# KiCad board SP110Duo.kicad_pcb
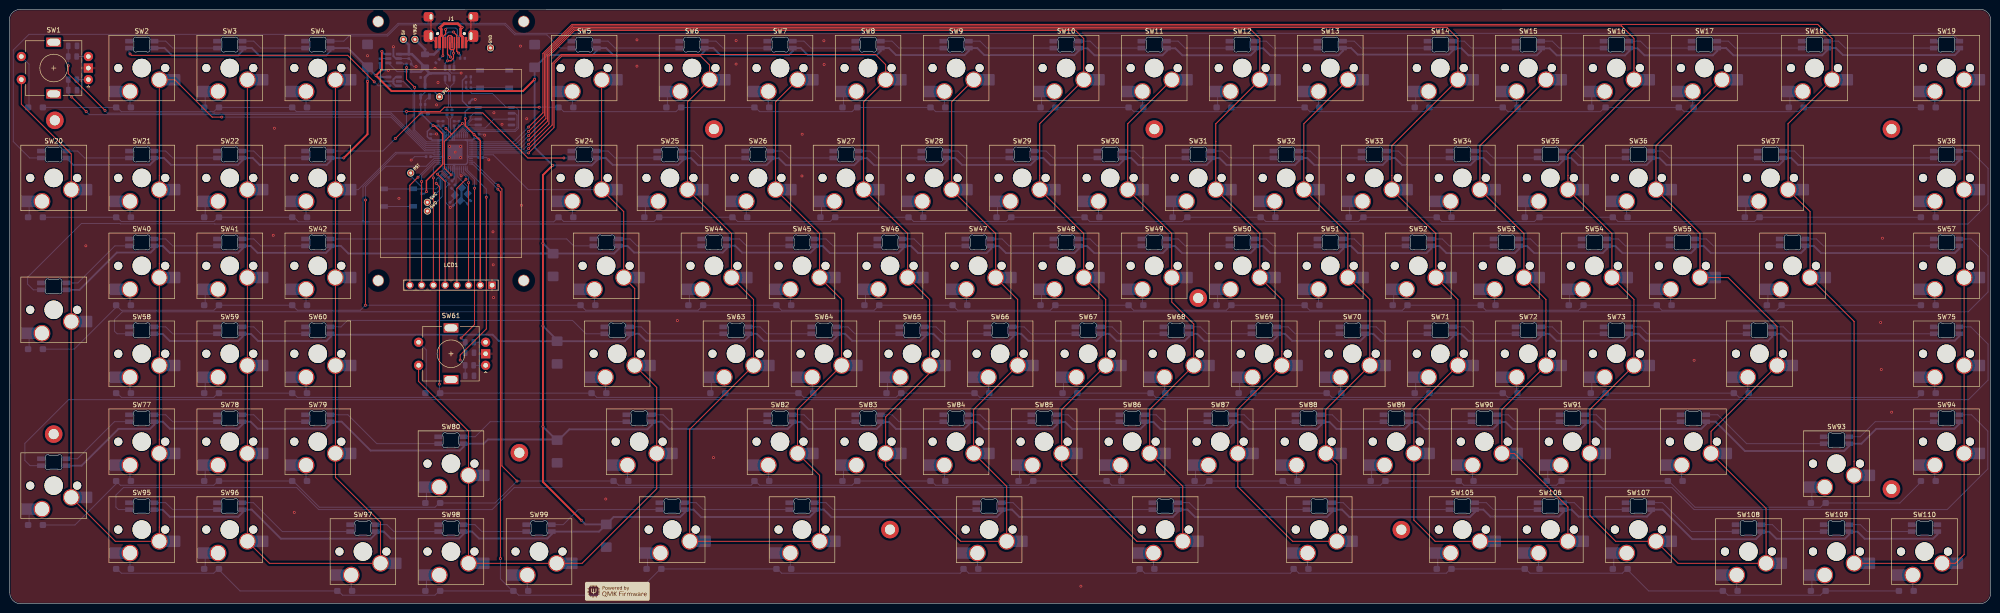
[diagram p0: board, top side]
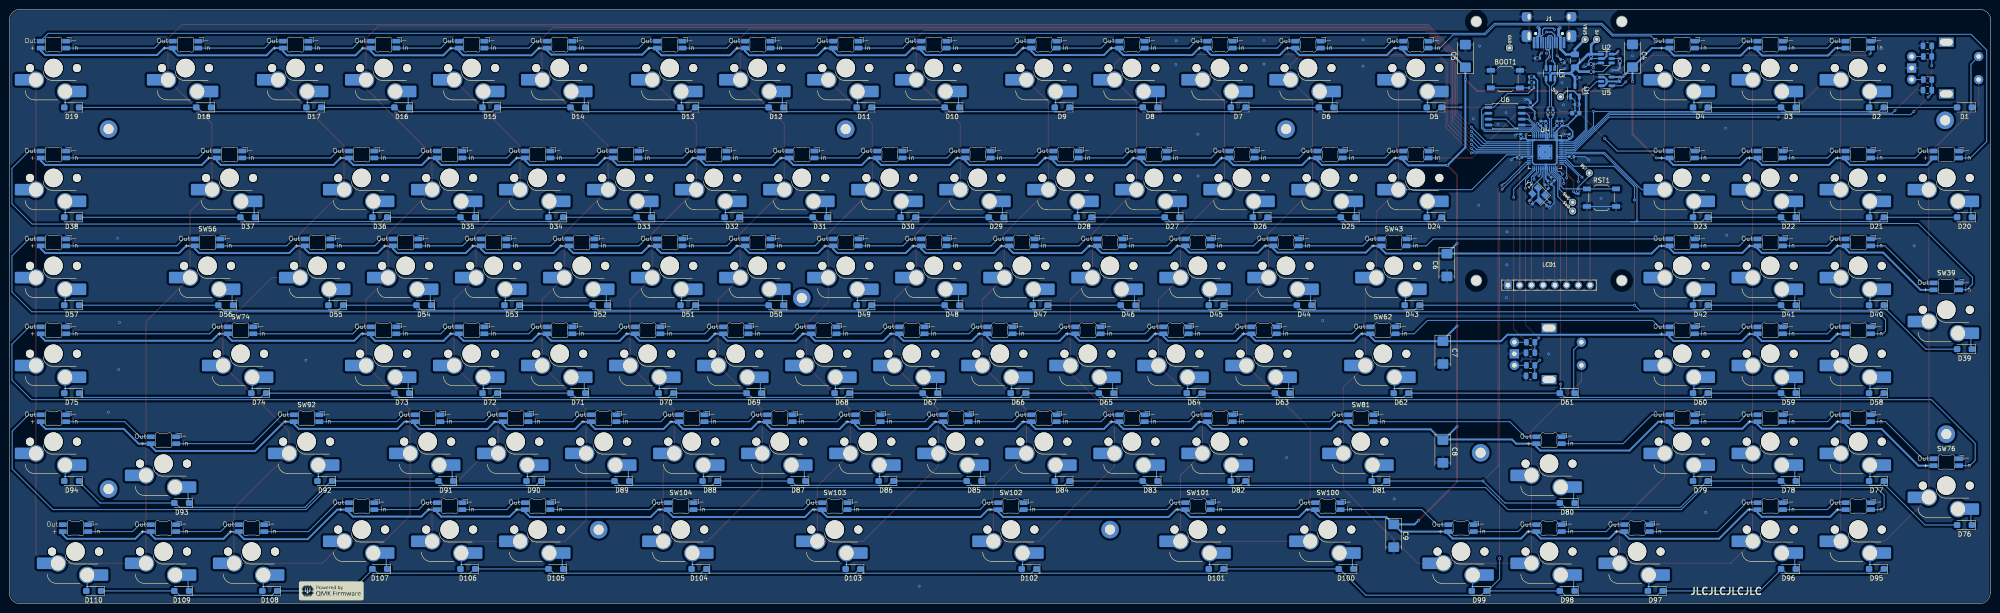
[diagram p1: board, bottom side, seen from below]

Outline 428.76 x 128.83 mm; copper layers: Top, Bottom. Coordinates in mm from the lower left corner of the outline.
Outline path: 0,126.42 0.11,2.38 arc(0.81,0.7) 2.49,0 426.38,0 arc(428.07,0.7) 428.76,2.38 428.76,126.45 arc(428.07,128.13) 426.38,128.83 2.38,128.8 arc(0.7,128.1) 0,126.42
Stack: Top 0.035mm / dielectric 1.51mm FR4 er 4.5 / Bottom 0.035mm

## Placement (name value [footprint] x y rotation side)
BOOT1  SW_Push  [SW_SPST_TL3342]  105.03 113.7 0 bottom
C1  1u  [C_0402_1005Metric]  89.5 114.05 0 bottom
C2  1u  [C_0402_1005Metric]  89.51 108.2 180 bottom
C3  100nF  [C_0402_1005Metric]  86.48 118.62 90 bottom
C4  100u  [CP_EIA-6032-15_Kemet-U]  77.53 118.75 90 bottom
C5  100u  [CP_EIA-6032-15_Kemet-U]  113.68 118.7 90 bottom
C6  100u  [CP_EIA-6032-15_Kemet-U]  117.68 73.4 270 bottom
C7  100u  [CP_EIA-6032-15_Kemet-U]  118.55 54.44 270 bottom
C8  100u  [CP_EIA-6032-15_Kemet-U]  118.55 33 270 bottom
C9  100u  [CP_EIA-6032-15_Kemet-U]  129.18 14.74 270 bottom
C10  100nF  [C_0805_2012Metric]  99.61 49.4 180 bottom
C11  22p  [C_0402_1005Metric]  99.5 87 45 bottom
C12  22p  [C_0402_1005Metric]  95.73 86.64 135 bottom
C13  100nF  [C_0402_1005Metric]  80.26 113.67 270 bottom
C14  1u  [C_0402_1005Metric]  99.58 108.04 90 bottom
C15  1u  [C_0402_1005Metric]  97.37 104.09 90 bottom
C16  100n  [C_0402_1005Metric]  94.77 92.08 225 bottom
C17  10u  [C_0603_1608Metric]  89.8 106.3 0 bottom
C18  1u  [C_0402_1005Metric]  101.98 96.73 0 bottom
C19  100n  [C_0402_1005Metric]  90.68 96.89 180 bottom
C20  100n  [C_0402_1005Metric]  91.18 101.28 90 bottom
C21  100n  [C_0402_1005Metric]  101.67 101.28 90 bottom
C22  100nF  [C_0805_2012Metric]  13.71 111.3 180 bottom
C23  100nF  [C_0805_2012Metric]  13.71 120.9 180 bottom
C24  100nF  [C_0805_2012Metric]  99.61 54.4 180 bottom
C25  1u  [C_0402_1005Metric]  93.88 104.09 90 bottom
C26  100n  [C_0402_1005Metric]  95.47 91.28 225 bottom
C27  100n  [C_0402_1005Metric]  92.77 104.09 90 bottom
C28  100n  [C_0402_1005Metric]  96.28 104.09 90 bottom
D1  1N4148W  [D_SOD-123]  5.68 107.56 0 bottom
D2  1N4148W  [D_SOD-123]  24.73 107.56 0 bottom
D3  1N4148W  [D_SOD-123]  43.78 107.56 0 bottom
D4  1N4148W  [D_SOD-123]  62.83 107.56 0 bottom
D5  1N4148W  [D_SOD-123]  120.45 107.56 0 bottom
D6  1N4148W  [D_SOD-123]  143.79 107.56 0 bottom
D7  1N4148W  [D_SOD-123]  162.84 107.56 0 bottom
D8  1N4148W  [D_SOD-123]  181.89 107.56 0 bottom
D9  1N4148W  [D_SOD-123]  200.94 107.56 0 bottom
D10  1N4148W  [D_SOD-123]  224.75 107.56 0 bottom
D11  1N4148W  [D_SOD-123]  243.8 107.56 0 bottom
D12  1N4148W  [D_SOD-123]  262.85 107.56 0 bottom
D13  1N4148W  [D_SOD-123]  281.9 107.56 0 bottom
D14  1N4148W  [D_SOD-123]  305.72 107.56 0 bottom
D15  1N4148W  [D_SOD-123]  324.77 107.56 0 bottom
D16  1N4148W  [D_SOD-123]  343.82 107.56 0 bottom
D17  1N4148W  [D_SOD-123]  362.87 107.56 0 bottom
D18  1N4148W  [D_SOD-123]  386.68 107.56 0 bottom
D19  1N4148W  [D_SOD-123]  415.25 107.56 0 bottom
D20  1N4148W  [D_SOD-123]  5.68 83.75 0 bottom
D21  1N4148W  [D_SOD-123]  24.73 83.75 0 bottom
D22  1N4148W  [D_SOD-123]  43.78 83.75 0 bottom
D23  1N4148W  [D_SOD-123]  62.83 83.75 0 bottom
D24  1N4148W  [D_SOD-123]  120.45 83.75 0 bottom
D25  1N4148W  [D_SOD-123]  139.03 83.75 0 bottom
D26  1N4148W  [D_SOD-123]  158.08 83.75 0 bottom
D27  1N4148W  [D_SOD-123]  177.13 83.75 0 bottom
D28  1N4148W  [D_SOD-123]  196.18 83.75 0 bottom
D29  1N4148W  [D_SOD-123]  215.23 83.75 0 bottom
D30  1N4148W  [D_SOD-123]  234.28 83.75 0 bottom
D31  1N4148W  [D_SOD-123]  253.33 83.75 0 bottom
D32  1N4148W  [D_SOD-123]  272.38 83.75 0 bottom
D33  1N4148W  [D_SOD-123]  291.43 83.75 0 bottom
D34  1N4148W  [D_SOD-123]  310.48 83.75 0 bottom
D35  1N4148W  [D_SOD-123]  329.53 83.75 0 bottom
D36  1N4148W  [D_SOD-123]  348.58 83.75 0 bottom
D37  1N4148W  [D_SOD-123]  377.15 83.75 0 bottom
D38  1N4148W  [D_SOD-123]  415.25 83.75 0 bottom
D39  1N4148W  [D_SOD-123]  5.68 55.17 0 bottom
D40  1N4148W  [D_SOD-123]  24.73 64.7 0 bottom
D41  1N4148W  [D_SOD-123]  43.78 64.7 0 bottom
D42  1N4148W  [D_SOD-123]  62.83 64.7 0 bottom
D43  1N4148W  [D_SOD-123]  125.22 64.7 0 bottom
D44  1N4148W  [D_SOD-123]  148.55 64.7 0 bottom
D45  1N4148W  [D_SOD-123]  167.6 64.7 0 bottom
D46  1N4148W  [D_SOD-123]  186.65 64.7 0 bottom
D47  1N4148W  [D_SOD-123]  205.7 64.7 0 bottom
D48  1N4148W  [D_SOD-123]  224.75 64.7 0 bottom
D49  1N4148W  [D_SOD-123]  243.8 64.7 0 bottom
D50  1N4148W  [D_SOD-123]  262.85 64.7 0 bottom
D51  1N4148W  [D_SOD-123]  281.9 64.7 0 bottom
D52  1N4148W  [D_SOD-123]  300.95 64.7 0 bottom
D53  1N4148W  [D_SOD-123]  320 64.7 0 bottom
D54  1N4148W  [D_SOD-123]  339.05 64.7 0 bottom
D55  1N4148W  [D_SOD-123]  358.1 64.7 0 bottom
D56  1N4148W  [D_SOD-123]  381.92 64.7 0 bottom
D57  1N4148W  [D_SOD-123]  415.25 64.7 0 bottom
D58  1N4148W  [D_SOD-123]  24.73 45.65 0 bottom
D59  1N4148W  [D_SOD-123]  43.78 45.65 0 bottom
D60  1N4148W  [D_SOD-123]  62.83 45.65 0 bottom
D61  1N4148W  [D_SOD-123]  91.64 45.65 0 bottom
D62  1N4148W  [D_SOD-123]  127.6 45.65 0 bottom
D63  1N4148W  [D_SOD-123]  153.32 45.65 0 bottom
D64  1N4148W  [D_SOD-123]  172.37 45.65 0 bottom
D65  1N4148W  [D_SOD-123]  191.42 45.65 0 bottom
D66  1N4148W  [D_SOD-123]  210.47 45.65 0 bottom
D67  1N4148W  [D_SOD-123]  229.52 45.65 0 bottom
D68  1N4148W  [D_SOD-123]  248.57 45.65 0 bottom
D69  1N4148W  [D_SOD-123]  267.62 45.65 0 bottom
D70  1N4148W  [D_SOD-123]  286.67 45.65 0 bottom
D71  1N4148W  [D_SOD-123]  305.72 45.65 0 bottom
D72  1N4148W  [D_SOD-123]  324.77 45.65 0 bottom
D73  1N4148W  [D_SOD-123]  343.82 45.65 0 bottom
D74  1N4148W  [D_SOD-123]  374.77 45.65 0 bottom
D75  1N4148W  [D_SOD-123]  415.25 45.65 0 bottom
D76  1N4148W  [D_SOD-123]  5.68 17.07 0 bottom
D77  1N4148W  [D_SOD-123]  24.73 26.6 0 bottom
D78  1N4148W  [D_SOD-123]  43.78 26.6 0 bottom
D79  1N4148W  [D_SOD-123]  62.83 26.6 0 bottom
D80  1N4148W  [D_SOD-123]  91.64 21.83 0 bottom
D81  1N4148W  [D_SOD-123]  132.36 26.6 0 bottom
D82  1N4148W  [D_SOD-123]  162.84 26.6 0 bottom
D83  1N4148W  [D_SOD-123]  181.89 26.6 0 bottom
D84  1N4148W  [D_SOD-123]  200.94 26.6 0 bottom
D85  1N4148W  [D_SOD-123]  219.99 26.6 0 bottom
D86  1N4148W  [D_SOD-123]  239.04 26.6 0 bottom
D87  1N4148W  [D_SOD-123]  258.09 26.6 0 bottom
D88  1N4148W  [D_SOD-123]  277.14 26.6 0 bottom
D89  1N4148W  [D_SOD-123]  296.19 26.6 0 bottom
D90  1N4148W  [D_SOD-123]  315.24 26.6 0 bottom
D91  1N4148W  [D_SOD-123]  334.29 26.6 0 bottom
D92  1N4148W  [D_SOD-123]  360.48 26.6 0 bottom
D93  1N4148W  [D_SOD-123]  391.44 21.83 0 bottom
D94  1N4148W  [D_SOD-123]  415.25 26.6 0 bottom
D95  1N4148W  [D_SOD-123]  24.73 7.55 0 bottom
D96  1N4148W  [D_SOD-123]  43.78 7.55 0 bottom
D97  1N4148W  [D_SOD-123]  72.59 2.78 0 bottom
D98  1N4148W  [D_SOD-123]  91.64 2.78 0 bottom
D99  1N4148W  [D_SOD-123]  110.69 2.78 0 bottom
D100  1N4148W  [D_SOD-123]  139.5 7.55 0 bottom
D101  1N4148W  [D_SOD-123]  167.6 7.55 0 bottom
D102  1N4148W  [D_SOD-123]  208.08 7.55 0 bottom
D103  1N4148W  [D_SOD-123]  246.18 7.55 0 bottom
D104  1N4148W  [D_SOD-123]  279.52 7.55 0 bottom
D105  1N4148W  [D_SOD-123]  310.48 7.55 0 bottom
D106  1N4148W  [D_SOD-123]  329.53 7.55 0 bottom
D107  1N4148W  [D_SOD-123]  348.58 7.55 0 bottom
D108  1N4148W  [D_SOD-123]  372.39 2.78 0 bottom
D109  1N4148W  [D_SOD-123]  391.44 2.78 0 bottom
D110  1N4148W  [D_SOD-123]  410.49 2.78 0 bottom
F1  3.0A 1206 Polyfuse  [Fuse_1206_3216Metric]  89.98 117.65 270 bottom
G***  LOGO  [QMK_PoweredBy]  131.58 2.7 0 top
G***#2  LOGO  [QMK_PoweredBy]  359.08 2.8 180 bottom
H1  MountingHole  [MountingHole_2.2mm_M2_DIN965_Pad]  9.87 104.76 180 bottom
H2  MountingHole  [MountingHole_2.2mm_M2_DIN965_Pad]  9.62 36.76 180 bottom
H3  MountingHole  [MountingHole_2.2mm_M2_DIN965_Pad]  110.38 32.72 180 bottom
H4  MountingHole  [MountingHole_2.2mm_M2_DIN965_Pad]  152.48 102.86 180 bottom
H5  MountingHole  [MountingHole_2.2mm_M2_DIN965_Pad]  190.58 16.07 180 bottom
H6  MountingHole  [MountingHole_2.2mm_M2_DIN965_Pad]  247.78 102.86 180 bottom
H7  MountingHole  [MountingHole_2.2mm_M2_DIN965_Pad]  257.28 66.25 180 bottom
H8  MountingHole  [MountingHole_2.2mm_M2_DIN965_Pad]  301.23 16.05 180 bottom
H9  MountingHole  [MountingHole_2.2mm_M2_DIN965_Pad]  407.28 102.86 180 bottom
H10  MountingHole  [MountingHole_2.2mm_M2_DIN965_Pad]  407.28 24.86 180 bottom
J1  USB_C_Receptacle_USB2.0  [HRO-TYPE-C-31-M-12-HandSoldering-NoSBU]  95.58 125.8 0 bottom
LCD1  -  [LCD-ST7789-2in]  95.58 98.1 180 top
R1  5.1k  [R_0402_1005Metric]  98.08 118.2 0 bottom
R2  5.1k  [R_0402_1005Metric]  92.66 117.59 225 bottom
R3  27  [R_0402_1005Metric]  95.83 106.49 270 bottom
R4  27  [R_0402_1005Metric]  94.73 106.49 270 bottom
R5  5.1k  [R_0402_1005Metric]  86.48 115.3 0 bottom
R6  75k  [R_0402_1005Metric]  80.23 117.64 270 bottom
R7  5.1k  [R_0402_1005Metric]  86.48 116.95 180 bottom
R8  1k  [R_0402_1005Metric]  96.07 90.38 225 bottom
R9  5.1K  [R_0402_1005Metric]  99.37 114.2 180 bottom
R10  5.1K  [R_0402_1005Metric]  89.28 89.4 270 bottom
R11  5.1K  [R_0402_1005Metric]  99.37 113 0 bottom
R12  1k  [R_0402_1005Metric]  99.37 111.8 180 bottom
R13  5.1k  [R_0805_2012Metric]  13.68 113.58 0 bottom
R14  5.1k  [R_0805_2012Metric]  13.68 118.58 0 bottom
R15  5.1k  [R_0805_2012Metric]  99.58 56.67 0 bottom
R16  5.1k  [R_0805_2012Metric]  99.58 51.67 0 bottom
RST1  SW_Push  [SW_SPST_TL3342]  84.23 88 180 bottom
SW1  RotaryEncoder_Switch  [RotaryEncoder_Alps_EC11E-Switch_Vertical_H20mm_Centred]  9.62 116.08 180 top
SW2  Switch w/LED  [Hotswap_MX_Plated_LED_1u]  28.67 116.08 0 top
SW3  Switch w/LED  [Hotswap_MX_Plated_LED_1u]  47.72 116.08 0 top
SW4  Switch w/LED  [Hotswap_MX_Plated_LED_1u]  66.77 116.08 0 top
SW5  Switch w/LED  [Hotswap_MX_Plated_LED_1u]  124.39 116.08 0 top
SW6  Switch w/LED  [Hotswap_MX_Plated_LED_1u]  147.73 116.08 0 top
SW7  Switch w/LED  [Hotswap_MX_Plated_LED_1u]  166.78 116.08 0 top
SW8  Switch w/LED  [Hotswap_MX_Plated_LED_1u]  185.83 116.08 0 top
SW9  Switch w/LED  [Hotswap_MX_Plated_LED_1u]  204.88 116.08 0 top
SW10  Switch w/LED  [Hotswap_MX_Plated_LED_1u]  228.69 116.08 0 top
SW11  Switch w/LED  [Hotswap_MX_Plated_LED_1u]  247.74 116.08 0 top
SW12  Switch w/LED  [Hotswap_MX_Plated_LED_1u]  266.79 116.08 0 top
SW13  Switch w/LED  [Hotswap_MX_Plated_LED_1u]  285.84 116.08 0 top
SW14  Switch w/LED  [Hotswap_MX_Plated_LED_1u]  309.66 116.08 0 top
SW15  Switch w/LED  [Hotswap_MX_Plated_LED_1u]  328.71 116.08 0 top
SW16  Switch w/LED  [Hotswap_MX_Plated_LED_1u]  347.76 116.08 0 top
SW17  Switch w/LED  [Hotswap_MX_Plated_LED_1u]  366.81 116.08 0 top
SW18  Switch w/LED  [Hotswap_MX_Plated_LED_1u]  390.62 116.08 0 top
SW19  Switch w/LED  [Hotswap_MX_Plated_LED_1u]  419.19 116.08 0 top
SW20  Switch w/LED  [Hotswap_MX_Plated_LED_1u]  9.62 92.27 0 top
SW21  Switch w/LED  [Hotswap_MX_Plated_LED_1u]  28.67 92.27 0 top
SW22  Switch w/LED  [Hotswap_MX_Plated_LED_1u]  47.72 92.27 0 top
SW23  Switch w/LED  [Hotswap_MX_Plated_LED_1u]  66.77 92.27 0 top
SW24  Switch w/LED  [Hotswap_MX_Plated_LED_1u]  124.39 92.27 0 top
SW25  Switch w/LED  [Hotswap_MX_Plated_LED_1u]  142.97 92.27 0 top
SW26  Switch w/LED  [Hotswap_MX_Plated_LED_1u]  162.02 92.27 0 top
SW27  Switch w/LED  [Hotswap_MX_Plated_LED_1u]  181.07 92.27 0 top
SW28  Switch w/LED  [Hotswap_MX_Plated_LED_1u]  200.12 92.27 0 top
SW29  Switch w/LED  [Hotswap_MX_Plated_LED_1u]  219.17 92.27 0 top
SW30  Switch w/LED  [Hotswap_MX_Plated_LED_1u]  238.22 92.27 0 top
SW31  Switch w/LED  [Hotswap_MX_Plated_LED_1u]  257.27 92.27 0 top
SW32  Switch w/LED  [Hotswap_MX_Plated_LED_1u]  276.32 92.27 0 top
SW33  Switch w/LED  [Hotswap_MX_Plated_LED_1u]  295.37 92.27 0 top
SW34  Switch w/LED  [Hotswap_MX_Plated_LED_1u]  314.42 92.27 0 top
SW35  Switch w/LED  [Hotswap_MX_Plated_LED_1u]  333.47 92.27 0 top
SW36  Switch w/LED  [Hotswap_MX_Plated_LED_1u]  352.52 92.27 0 top
SW37  Switch w/LED  [Hotswap_MX_Plated_LED_1u]  381.09 92.27 0 top
SW38  Switch w/LED  [Hotswap_MX_Plated_LED_1u]  419.19 92.27 0 top
SW39  Switch w/LED  [Hotswap_MX_Plated_LED_2u_90deg]  9.62 63.7 0 top
SW40  Switch w/LED  [Hotswap_MX_Plated_LED_1u]  28.67 73.22 0 top
SW41  Switch w/LED  [Hotswap_MX_Plated_LED_1u]  47.72 73.22 0 top
SW42  Switch w/LED  [Hotswap_MX_Plated_LED_1u]  66.77 73.22 0 top
SW43  Switch w/LED  [Hotswap_MX_Plated_LED_1.5u]  129.16 73.22 0 top
SW44  Switch w/LED  [Hotswap_MX_Plated_LED_1u]  152.49 73.22 0 top
SW45  Switch w/LED  [Hotswap_MX_Plated_LED_1u]  171.54 73.22 0 top
SW46  Switch w/LED  [Hotswap_MX_Plated_LED_1u]  190.59 73.22 0 top
SW47  Switch w/LED  [Hotswap_MX_Plated_LED_1u]  209.64 73.22 0 top
SW48  Switch w/LED  [Hotswap_MX_Plated_LED_1u]  228.69 73.22 0 top
SW49  Switch w/LED  [Hotswap_MX_Plated_LED_1u]  247.74 73.22 0 top
SW50  Switch w/LED  [Hotswap_MX_Plated_LED_1u]  266.79 73.22 0 top
SW51  Switch w/LED  [Hotswap_MX_Plated_LED_1u]  285.84 73.22 0 top
SW52  Switch w/LED  [Hotswap_MX_Plated_LED_1u]  304.89 73.22 0 top
SW53  Switch w/LED  [Hotswap_MX_Plated_LED_1u]  323.94 73.22 0 top
SW54  Switch w/LED  [Hotswap_MX_Plated_LED_1u]  342.99 73.22 0 top
SW55  Switch w/LED  [Hotswap_MX_Plated_LED_1u]  362.04 73.22 0 top
SW56  Switch w/LED  [Hotswap_MX_Plated_LED_1.5u]  385.86 73.22 0 top
SW57  Switch w/LED  [Hotswap_MX_Plated_LED_1u]  419.19 73.22 0 top
SW58  Switch w/LED  [Hotswap_MX_Plated_LED_1u]  28.67 54.17 0 top
SW59  Switch w/LED  [Hotswap_MX_Plated_LED_1u]  47.72 54.17 0 top
SW60  Switch w/LED  [Hotswap_MX_Plated_LED_1u]  66.77 54.17 0 top
SW61  RotaryEncoder_Switch  [RotaryEncoder_Alps_EC11E-Switch_Vertical_H20mm_Centred]  95.58 54.17 180 top
SW62  Switch w/LED  [Hotswap_MX_Plated_LED_1.75u]  131.54 54.17 0 top
SW63  Switch w/LED  [Hotswap_MX_Plated_LED_1u]  157.26 54.17 0 top
SW64  Switch w/LED  [Hotswap_MX_Plated_LED_1u]  176.31 54.17 0 top
SW65  Switch w/LED  [Hotswap_MX_Plated_LED_1u]  195.36 54.17 0 top
SW66  Switch w/LED  [Hotswap_MX_Plated_LED_1u]  214.41 54.17 0 top
SW67  Switch w/LED  [Hotswap_MX_Plated_LED_1u]  233.46 54.17 0 top
SW68  Switch w/LED  [Hotswap_MX_Plated_LED_1u]  252.51 54.17 0 top
SW69  Switch w/LED  [Hotswap_MX_Plated_LED_1u]  271.56 54.17 0 top
SW70  Switch w/LED  [Hotswap_MX_Plated_LED_1u]  290.61 54.17 0 top
SW71  Switch w/LED  [Hotswap_MX_Plated_LED_1u]  309.66 54.17 0 top
SW72  Switch w/LED  [Hotswap_MX_Plated_LED_1u]  328.71 54.17 0 top
SW73  Switch w/LED  [Hotswap_MX_Plated_LED_1u]  347.76 54.17 0 top
SW74  Switch w/LED  [Hotswap_MX_Plated_LED_2.25u]  378.71 54.17 0 top
SW75  Switch w/LED  [Hotswap_MX_Plated_LED_1u]  419.19 54.17 0 top
SW76  Switch w/LED  [Hotswap_MX_Plated_LED_2u_90deg]  9.62 25.6 0 top
SW77  Switch w/LED  [Hotswap_MX_Plated_LED_1u]  28.67 35.12 0 top
SW78  Switch w/LED  [Hotswap_MX_Plated_LED_1u]  47.72 35.12 0 top
SW79  Switch w/LED  [Hotswap_MX_Plated_LED_1u]  66.77 35.12 0 top
SW80  Switch w/LED  [Hotswap_MX_Plated_LED_1u]  95.58 30.36 0 top
SW81  Switch w/LED  [Hotswap_MX_Plated_LED_2.25u]  136.3 35.12 0 top
SW82  Switch w/LED  [Hotswap_MX_Plated_LED_1u]  166.78 35.12 0 top
SW83  Switch w/LED  [Hotswap_MX_Plated_LED_1u]  185.83 35.12 0 top
SW84  Switch w/LED  [Hotswap_MX_Plated_LED_1u]  204.88 35.12 0 top
SW85  Switch w/LED  [Hotswap_MX_Plated_LED_1u]  223.93 35.12 0 top
SW86  Switch w/LED  [Hotswap_MX_Plated_LED_1u]  242.98 35.12 0 top
SW87  Switch w/LED  [Hotswap_MX_Plated_LED_1u]  262.03 35.12 0 top
SW88  Switch w/LED  [Hotswap_MX_Plated_LED_1u]  281.08 35.12 0 top
SW89  Switch w/LED  [Hotswap_MX_Plated_LED_1u]  300.13 35.12 0 top
SW90  Switch w/LED  [Hotswap_MX_Plated_LED_1u]  319.18 35.12 0 top
SW91  Switch w/LED  [Hotswap_MX_Plated_LED_1u]  338.23 35.12 0 top
SW92  Switch w/LED  [Hotswap_MX_Plated_LED_1.75u]  364.42 35.12 0 top
SW93  Switch w/LED  [Hotswap_MX_Plated_LED_1u]  395.38 30.36 0 top
SW94  Switch w/LED  [Hotswap_MX_Plated_LED_1u]  419.19 35.12 0 top
SW95  Switch w/LED  [Hotswap_MX_Plated_LED_1u]  28.67 16.07 0 top
SW96  Switch w/LED  [Hotswap_MX_Plated_LED_1u]  47.72 16.07 0 top
SW97  Switch w/LED  [Hotswap_MX_Plated_LED_1u]  76.53 11.31 0 top
SW98  Switch w/LED  [Hotswap_MX_Plated_LED_1u]  95.58 11.31 0 top
SW99  Switch w/LED  [Hotswap_MX_Plated_LED_1u]  114.63 11.31 0 top
SW100  Switch w/LED  [Hotswap_MX_Plated_LED_1.5u]  143.44 16.07 0 top
SW101  Switch w/LED  [Hotswap_MX_Plated_LED_1.5u]  171.54 16.07 0 top
SW102  Switch w/LED  [Hotswap_MX_Plated_LED_2.75u]  212.02 16.07 0 top
SW103  Switch w/LED  [Hotswap_MX_Plated_LED_1.25u]  250.12 16.07 0 top
SW104  Switch w/LED  [Hotswap_MX_Plated_LED_2.25u]  283.46 16.07 0 top
SW105  Switch w/LED  [Hotswap_MX_Plated_LED_1u]  314.42 16.07 0 top
SW106  Switch w/LED  [Hotswap_MX_Plated_LED_1u]  333.47 16.07 0 top
SW107  Switch w/LED  [Hotswap_MX_Plated_LED_1u]  352.52 16.07 0 top
SW108  Switch w/LED  [Hotswap_MX_Plated_LED_1u]  376.33 11.31 0 top
SW109  Switch w/LED  [Hotswap_MX_Plated_LED_1u]  395.38 11.31 0 top
SW110  Switch w/LED  [Hotswap_MX_Plated_LED_1u]  414.43 11.31 0 top
TP1  VBUS  [TestPoint]  87.78 122.3 90 top
TP2  5V  [TestPoint]  85.28 122.3 90 top
TP3  3V3  [TestPoint]  93.1 109.85 45 top
TP4  GND  [TestPoint]  104.13 120.45 90 top
TP5  RST  [TestPoint]  86.88 93.35 45 top
TP6  SWC  [TestPoint]  90.48 87 45 top
TP7  SWD  [TestPoint]  90.48 85.1 45 top
U1  XC6206P332MR  [SOT-23-3]  89.98 111.06 90 bottom
U2  TPS2553DBVR  [SOT-23-6]  83.18 118.15 180 bottom
U3  USBLC6-2SC6  [SOT-23-6]  95.28 114.96 270 bottom
U4  RP2040  [QFN-56-1EP_7x7mm_P0.4mm_EP3.2x3.2mm]  96.48 97.89 180 bottom
U5  74AHC1G125  [SOT-23-5]  83.16 113.2 180 bottom
U6  W25Q128JVSIQ  [SOIC-8_5.275x5.275mm_P1.27mm]  105.08 105.65 180 bottom
Y1  X322512MSB4SI  [Crystal_SMD_3225-4Pin_3.2x2.5mm]  97.79 88.7 45 bottom

## Library data of the parts
BOOT1 RST1 = -: Description: Push button switch, generic, two pins
C1 C2 C11 C12 C14-C21 C25-C28 = -: Description: Unpolarized capacitor, small symbol
C3 C10 C13 C22-C24 = -: Description: Unpolarized capacitor
C4-C9 = -: Description: Polarized capacitor
D1-D110 = -: Description: 75V 0.15A Fast Switching Diode, SOD-123; Sim.Device: D; Sim.Pins: 1=K 2=A
F1 = -: Description: Fuse, small symbol
H1-H10 = -: Description: Mounting Hole without connection
J1 = -: Description: USB 2.0-only Type-C Receptacle connector
R1-R4 R8-R12 = -: Description: Resistor, small symbol
R5-R7 R13-R16 = -: Description: Resistor
SW1 SW61 = -: Description: Rotary encoder, dual channel, incremental quadrate outputs, with switch
SW2-SW60 SW62-SW110 = -: Description: Push button switch, normally open, two pins, 45° tilted
TP1-TP7 = -: Description: test point
U1 = -: Description: Positive 60-250mA Low Dropout Regulator, Fixed Output, SOT-23
U3 = -: Description: Very low capacitance ESD protection diode, 2 data-line, SOT-23-6
U4 = -: Description: A microcontroller by Raspberry Pi
U5 = -: Description: Single Buffer Gate Tri-State, Low-Voltage CMOS
U6 = -: Description: 128Mb Serial Flash Memory, Standard/Dual/Quad SPI, SOIC-8
Y1 = -: Description: Four pin crystal, GND on pins 2 and 4

## Footprints (pads in the part's own frame, mm; a bottom-side part is the same pattern mirrored in y, then rotated)
C_0402_1005Metric
  rrect 0.56x0.62 smd: 1(-0.48,0) 2(0.48,0)
C_0603_1608Metric
  rrect 0.9x0.95 smd: 1(-0.775,0) 2(0.775,0)
C_0805_2012Metric
  rrect 1x1.45 smd: 1(-0.95,0) 2(0.95,0)
CP_EIA-6032-15_Kemet-U
  rrect 2.075x2.35 smd: 1(-2.462,0) 2(2.462,0)
Crystal_SMD_3225-4Pin_3.2x2.5mm
  rect 1.4x1.2 smd: 1(-1.1,-0.85) 2(1.1,-0.85) 3(1.1,0.85) 4(-1.1,0.85)
D_SOD-123
  rrect 1.4x1.3 smd: 1(-1.6,0) 2(1.6,0)
Fuse_1206_3216Metric
  rrect 1.25x1.75 smd: 1(-1.4,0) 2(1.4,0)
Hotswap_MX_Plated_LED_1.5u
  rrect 2.55x2.5 smd: (-5.842,-5.08) (7.085,-2.54)
  round 1.75 hole 1.75 unplated: (-5.08,0) (5.08,0)
  round 4 hole 4 unplated: (0,0)
  round 3.6 hole 3.05: 1(3.81,-2.54) 2(-2.54,-5.08)
  rrect 3.55x2.5 smd far side: 1(6.585,-2.54) 2(-5.32,-5.08)
  rrect 1.7x1 smd far side: 3(2.75,4.33) 4(2.75,5.83) 5(-2.75,4.33) 6(-2.75,5.83)
Hotswap_MX_Plated_LED_1.25u
  rrect 2.55x2.5 smd: (-5.842,-5.08) (7.085,-2.54)
  round 1.75 hole 1.75 unplated: (-5.08,0) (5.08,0)
  round 4 hole 4 unplated: (0,0)
  round 3.6 hole 3.05: 1(3.81,-2.54) 2(-2.54,-5.08)
  rrect 3.55x2.5 smd far side: 1(6.585,-2.54) 2(-5.32,-5.08)
  rrect 1.7x1 smd far side: 3(2.75,4.33) 4(2.75,5.83) 5(-2.75,4.33) 6(-2.75,5.83)
Hotswap_MX_Plated_LED_1.75u
  rrect 2.55x2.5 smd: (-5.842,-5.08) (7.085,-2.54)
  round 1.75 hole 1.75 unplated: (-5.08,0) (5.08,0)
  round 4 hole 4 unplated: (0,0)
  round 3.6 hole 3.05: 1(3.81,-2.54) 2(-2.54,-5.08)
  rrect 3.55x2.5 smd far side: 1(6.585,-2.54) 2(-5.32,-5.08)
  rrect 1.7x1 smd far side: 3(2.75,4.33) 4(2.75,5.83) 5(-2.75,4.33) 6(-2.75,5.83)
Hotswap_MX_Plated_LED_1u
  rrect 2.55x2.5 smd: (-5.842,-5.08) (7.085,-2.54)
  round 1.75 hole 1.75 unplated: (-5.08,0) (5.08,0)
  round 4 hole 4 unplated: (0,0)
  round 3.6 hole 3.05: 1(3.81,-2.54) 2(-2.54,-5.08)
  rrect 3.55x2.5 smd far side: 1(6.585,-2.54) 2(-5.32,-5.08)
  rrect 1.7x1 smd far side: 3(2.75,4.33) 4(2.75,5.83) 5(-2.75,4.33) 6(-2.75,5.83)
Hotswap_MX_Plated_LED_2.25u
  rrect 2.55x2.5 smd: (-5.842,-5.08) (7.085,-2.54)
  round 1.75 hole 1.75 unplated: (-5.08,0) (5.08,0)
  round 4 hole 4 unplated: (0,0)
  round 3.6 hole 3.05: 1(3.81,-2.54) 2(-2.54,-5.08)
  rrect 3.55x2.5 smd far side: 1(6.585,-2.54) 2(-5.32,-5.08)
  rrect 1.7x1 smd far side: 3(2.75,4.33) 4(2.75,5.83) 5(-2.75,4.33) 6(-2.75,5.83)
Hotswap_MX_Plated_LED_2.75u
  rrect 2.55x2.5 smd: (-5.842,-5.08) (7.085,-2.54)
  round 1.75 hole 1.75 unplated: (-5.08,0) (5.08,0)
  round 4 hole 4 unplated: (0,0)
  round 3.6 hole 3.05: 1(3.81,-2.54) 2(-2.54,-5.08)
  rrect 3.55x2.5 smd far side: 1(6.585,-2.54) 2(-5.32,-5.08)
  rrect 1.7x1 smd far side: 3(2.75,4.33) 4(2.75,5.83) 5(-2.75,4.33) 6(-2.75,5.83)
Hotswap_MX_Plated_LED_2u_90deg
  rrect 2.55x2.5 smd: (-5.842,-5.08) (7.085,-2.54)
  round 1.75 hole 1.75 unplated: (-5.08,0) (5.08,0)
  round 4 hole 4 unplated: (0,0)
  round 3.6 hole 3.05: 1(3.81,-2.54) 2(-2.54,-5.08)
  rrect 3.55x2.5 smd far side: 1(6.585,-2.54) 2(-5.32,-5.08)
  rrect 1.7x1 smd far side: 3(2.75,4.33) 4(2.75,5.83) 5(-2.75,4.33) 6(-2.75,5.83)
HRO-TYPE-C-31-M-12-HandSoldering-NoSBU
  round 0.65 hole 0.65 unplated: (-2.89,2.25) (2.89,2.25)
  rect 0.57x2.45 smd: A1(-3.225,4.195) A4(-2.45,4.195) B1(3.225,4.195) B4(2.45,4.195)
  rect 0.57x2.45 smd far side: A1(3.225,4.195) A4(2.45,4.195) B1(-3.225,4.195) B4(-2.45,4.195)
  rect 0.3x2.45 smd: A5(-1.25,4.195) A6(-0.25,4.195) A7(0.25,4.195) B5(1.75,4.195) B6(0.75,4.195) B7(-0.75,4.195) ~(-1.75,4.195) ~(1.25,4.195)
  rect 0.3x2.45 smd far side: A5(1.25,4.195) A6(0.25,4.195) A7(-0.25,4.195) B5(-1.75,4.195) B6(-0.75,4.195) B7(0.75,4.195) ~(-1.25,4.195) ~(1.75,4.195)
  rrect 2.1x2 smd far side: S1(-4.85,-1.4) S1(4.85,-1.4)
  rrect 2.1x2 smd: S1(-4.85,-1.4) S1(4.85,-1.4)
  rrect 2.1x2.5 smd far side: S1(-4.85,2.78) S1(4.85,2.78)
  rrect 2.1x2.5 smd: S1(-4.85,2.78) S1(4.85,2.78)
  oval 1x1.6 hole 0.6x1.2: S1(-4.32,-1.4) S1(4.32,-1.4)
  oval 1x2.1 hole 0.6x1.7: S1(-4.32,2.78) S1(4.32,2.78)
LCD-ST7789-2in
  round 2.5 hole 2.2 unplated: (-15.74,28.06) (-15.74,-28.06) (15.74,28.06) (15.74,-28.06)
  rect 1.6x1.6 hole 1: 1(-8.89,29.06)
  round 1.6 hole 1: 2(-6.35,29.06) 3(-3.81,29.06) 4(-1.27,29.06) 5(1.27,29.06) 6(3.81,29.06) 7(6.35,29.06) 8(8.89,29.06)
MountingHole_2.2mm_M2_DIN965_Pad
  round 3.8 hole 2.2: 1(0,0)
QFN-56-1EP_7x7mm_P0.4mm_EP3.2x3.2mm
  rrect 1.29x1.29 smd: (-0.8,-0.8) (-0.8,0.8) (0.8,-0.8) (0.8,0.8)
  rrect 0.875x0.2 smd: 1(-3.438,2.6) 2(-3.438,2.2) 3(-3.438,1.8) 4(-3.438,1.4) 5(-3.438,1) 6(-3.438,0.6) 7(-3.438,0.2) 8(-3.438,-0.2) 9(-3.438,-0.6) 10(-3.438,-1) 11(-3.438,-1.4) 12(-3.438,-1.8) 13(-3.438,-2.2) 14(-3.438,-2.6) 29(3.438,-2.6) 30(3.438,-2.2) 31(3.438,-1.8) 32(3.438,-1.4) 33(3.438,-1) 34(3.438,-0.6) 35(3.438,-0.2) 36(3.438,0.2) 37(3.438,0.6) 38(3.438,1) 39(3.438,1.4) 40(3.438,1.8) 41(3.438,2.2) 42(3.438,2.6)
  rrect 0.2x0.875 smd: 15(-2.6,-3.438) 16(-2.2,-3.438) 17(-1.8,-3.438) 18(-1.4,-3.438) 19(-1,-3.438) 20(-0.6,-3.438) 21(-0.2,-3.438) 22(0.2,-3.438) 23(0.6,-3.438) 24(1,-3.438) 25(1.4,-3.438) 26(1.8,-3.438) 27(2.2,-3.438) 28(2.6,-3.438) 43(2.6,3.438) 44(2.2,3.438) 45(1.8,3.438) 46(1.4,3.438) 47(1,3.438) 48(0.6,3.438) 49(0.2,3.438) 50(-0.2,3.438) 51(-0.6,3.438) 52(-1,3.438) 53(-1.4,3.438) 54(-1.8,3.438) 55(-2.2,3.438) 56(-2.6,3.438)
  rect 3.2x3.2 smd: 57(0,0)
R_0402_1005Metric
  rrect 0.54x0.64 smd: 1(-0.51,0) 2(0.51,0)
R_0805_2012Metric
  rrect 1.025x1.4 smd: 1(-0.912,0) 2(0.912,0)
RotaryEncoder_Alps_EC11E-Switch_Vertical_H20mm_Centred
  round 2 hole 1: A(-7.5,2.5) B(-7.5,-2.5) S1(7,-2.5) S2(7,2.5)
  rect 2x2 hole 1: C(-7.5,0)
  rect 3.2x2 hole 2.8x1.5: MP(0,5.6) MP(0,-5.6)
SOIC-8_5.275x5.275mm_P1.27mm
  rrect 1.6x0.6 smd: 1(-3.6,1.905) 2(-3.6,0.635) 3(-3.6,-0.635) 4(-3.6,-1.905) 5(3.6,-1.905) 6(3.6,-0.635) 7(3.6,0.635) 8(3.6,1.905)
SOT-23-3
  rrect 1.325x0.6 smd: 1(-1.137,0.95) 2(-1.137,-0.95) 3(1.137,0)
SOT-23-5
  rrect 1.325x0.6 smd: 1(-1.137,0.95) 2(-1.137,0) 3(-1.137,-0.95) 4(1.137,-0.95) 5(1.137,0.95)
SOT-23-6
  rrect 1.325x0.6 smd: 1(-1.137,0.95) 2(-1.137,0) 3(-1.137,-0.95) 4(1.137,-0.95) 5(1.137,0) 6(1.137,0.95)
SW_SPST_TL3342
  rect 1.7x1 smd: 1(-3.15,1.9) 1(3.15,1.9) 2(-3.15,-1.9) 2(3.15,-1.9)
TestPoint
  round 1.2 hole 0.6: 1(0,0)
